# Allegro board LAY-38820_A.brd (continued)
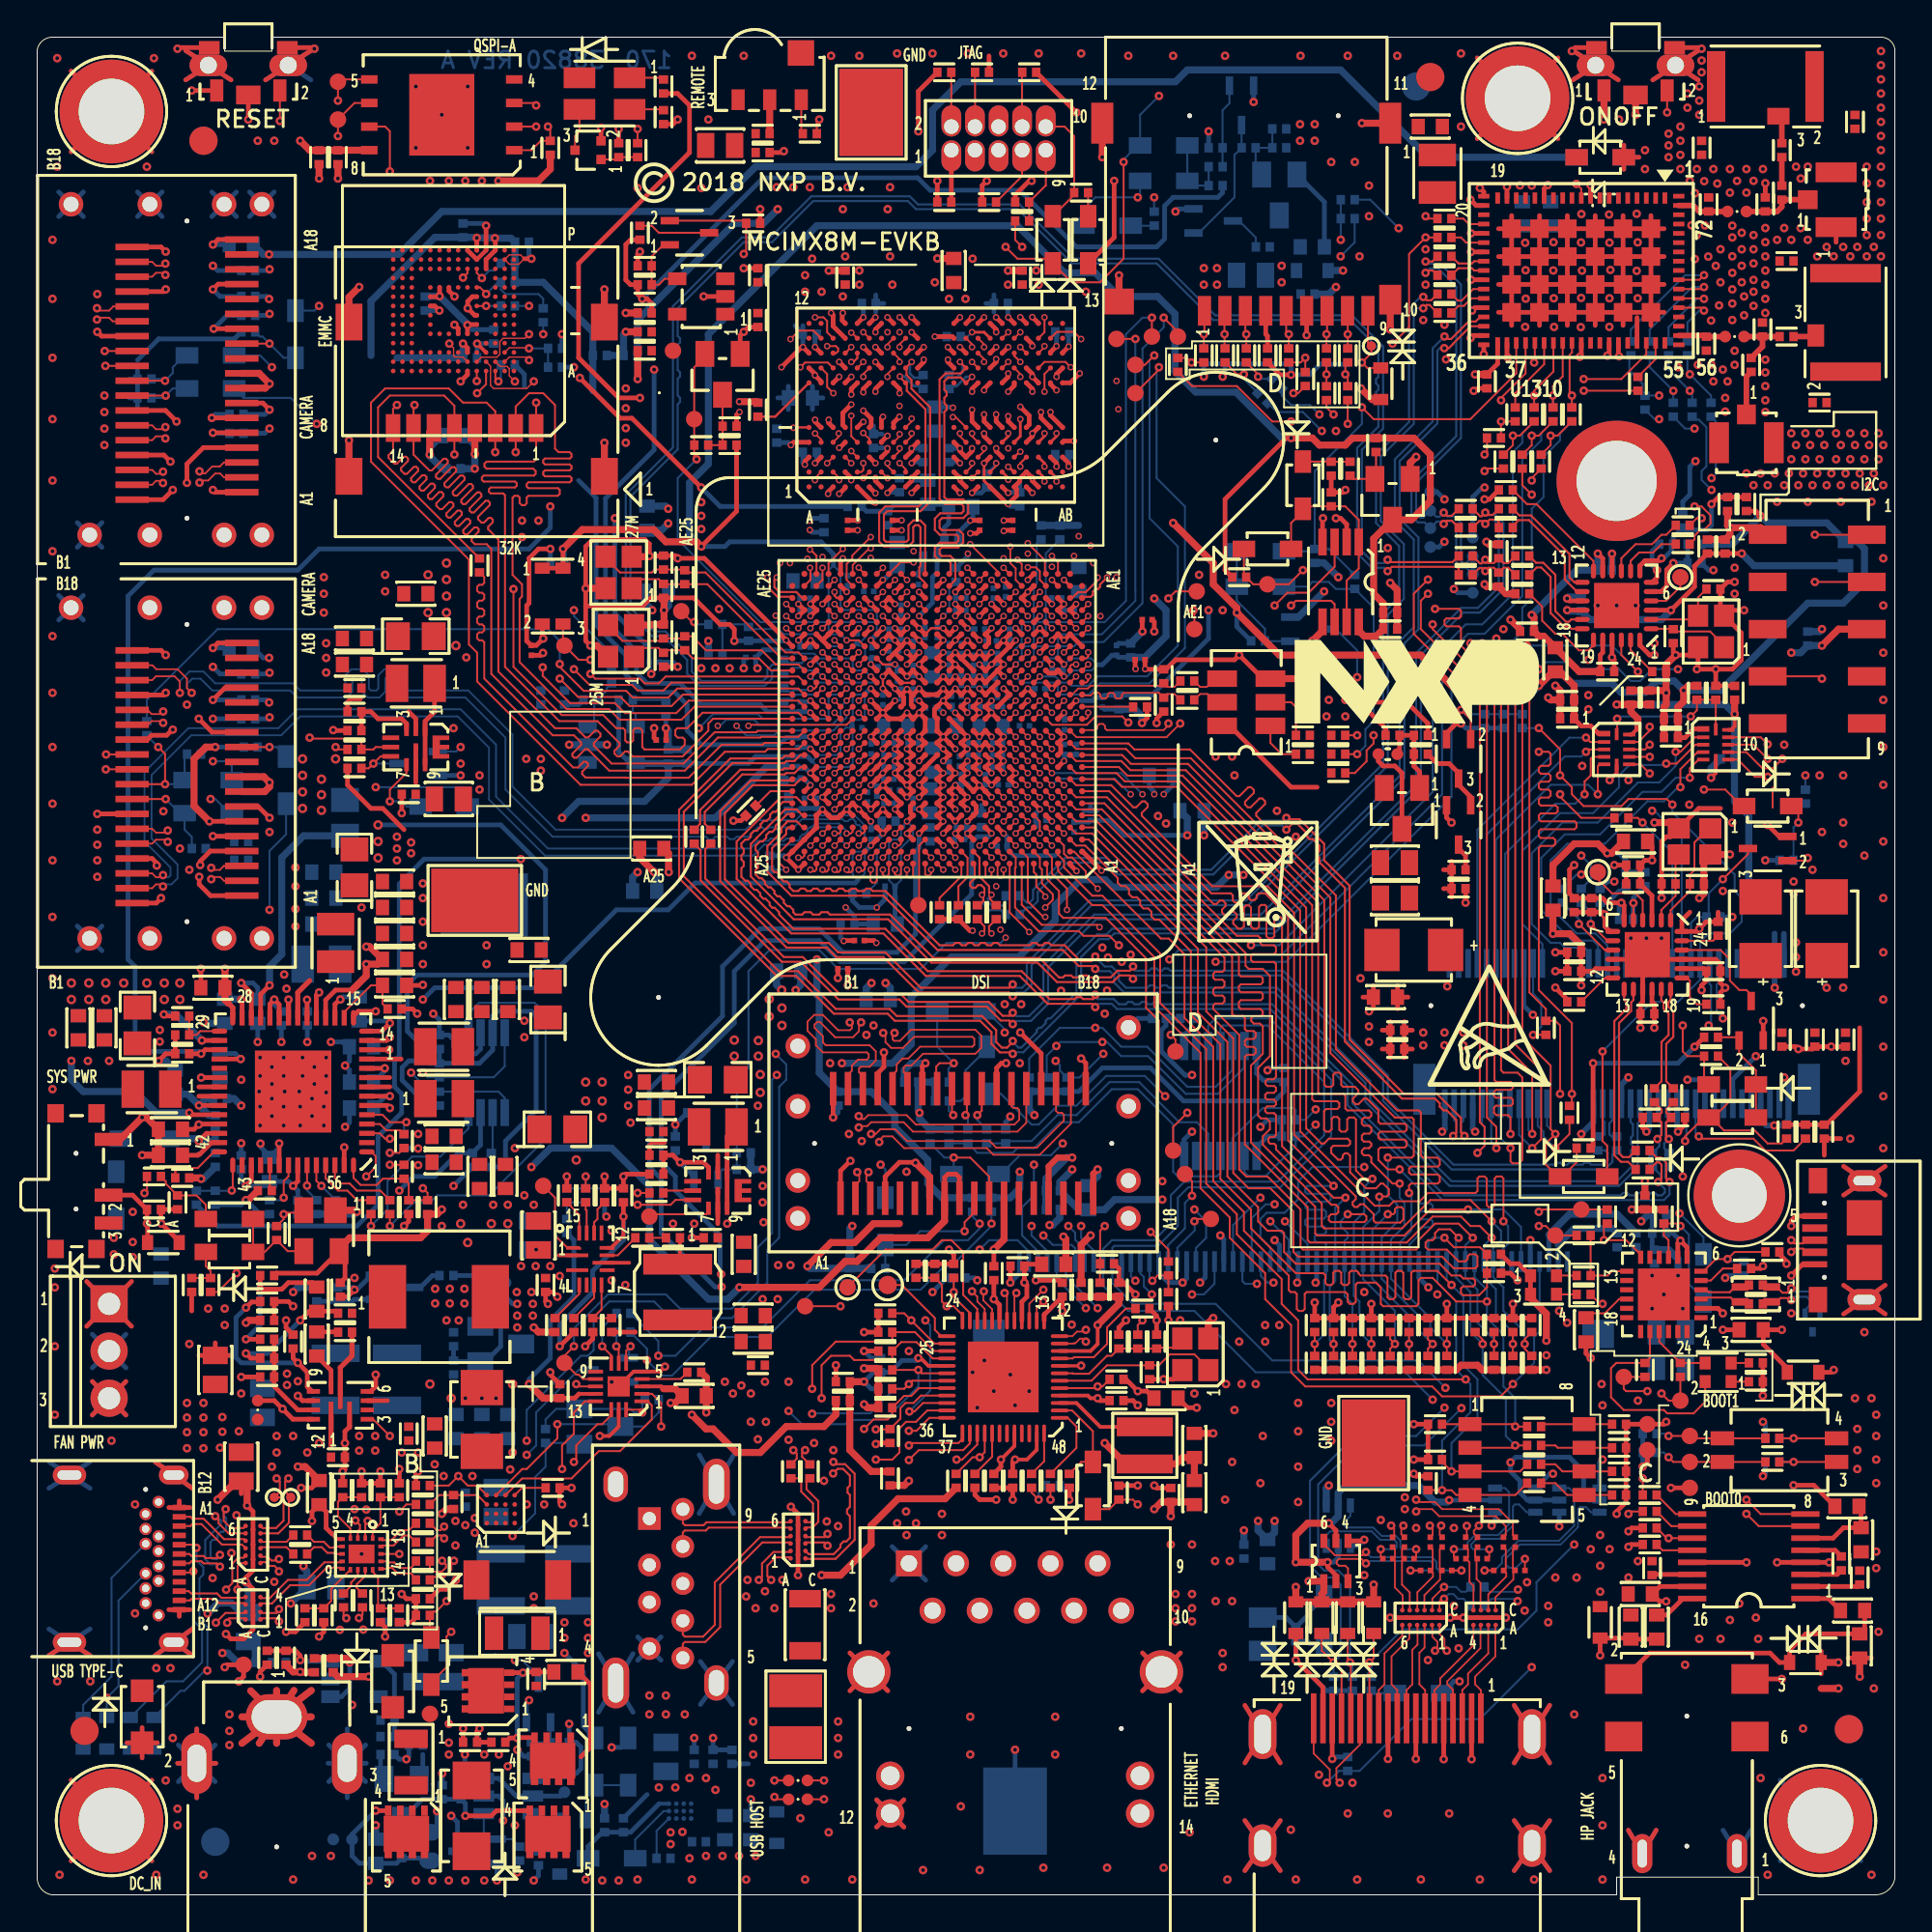
[diagram p0: board, top side]
## Routing (per net, layer and track width the routed paths; a pad name or vN(x,y) marks a point on that pad's centre or on a via; arc(x,y) is an arc through that point) (continued)
WL_REG_ON: length 74.6
  TOP w0.107: v1(74.74,90.36) 74.87,90.23 R1320.1 ; U101.D7 v2(52.67,57.78)
  L6_INT_2 w0.076: v1(74.74,90.36) 76.26,88.84 76.26,87.21 79.72,83.76 83.03,83.76 86.8,79.98 86.8,79.31 88.45,77.66 88.45,73.34 88.71,73.09 88.71,69.02 87.69,68.01 87.69,66.61 v1(88.33,65.98) ; v1(80.83,65.98) 76.9,62.04 73.72,62.04 71.94,60.26 68.01,60.26 65.34,57.59 61.66,57.59 61.28,57.21 59.75,57.21 58.99,57.97 55.69,57.97 55.55,58.11 53,58.11 v2(52.67,57.78)
  BOTTOM w0.107: v1(88.33,65.98) 86.93,65.98 86.3,65.34 85.79,65.34 85.15,65.98 82.99,65.98 82.61,66.36 81.22,66.36 v1(80.83,65.98)
XTALI_25M: length 9.3
  TOP w0.107: Y401.1 32.6,67.12 33.46,67.12 C402.1 33.86,67 R411.1 35.3,66.56 38.85,66.56 39.5,65.91 U101.U25
XTALI_27M: length 10.6
  TOP w0.107: Y402.1 32.49,70.82 33.46,70.82 C404.1 33.73,70.55 R412.1 36.07,70.55 40.07,66.56 U101.V25
XTALO_25M: length 11.8
  TOP w0.107: U101.U24 40.98,66.23 39.76,66.23 39,66.99 36,66.99 35.25,67.75 R411.2 34.75,67.63 C403.1 33.58,67.5 31.51,67.5 30.73,68.28 Y401.3
XTALO_27M: length 13.1
  TOP w0.107: U101.V24 40.98,66.88 40.28,66.88 35.98,71.18 34.98,71.18 R412.2 34.82,71.34 C405.1 33.24,71.34 33.08,71.18 31.38,71.18 30.6,71.96 Y402.3
N306938: length 9.4
  TOP w0.107: U101.W20 v2(43.58,66.88)
  BOTTOM w0.102: v2(43.58,66.88) 43.25,67.21 42.52,67.21 41.87,67.86 40.19,67.86 39.92,68.13 38.41,68.13 C401.1
  BOTTOM w0.107: C401.1 38.16,68.39 R401.2 R409.2
N97352674: length 3.9
  TOP w0.107: R822.2 81.08,25.34 SW801.8 R806.1
N97352678: length 3.9
  TOP w0.107: R804.1 SW801.7 81.85,24.07 81.72,24.19 R819.2
N97352680: length 4
  TOP w0.107: R821.2 81.72,23.18 82.1,22.8 SW801.6 R803.1
N97352682: length 4.1
  TOP w0.107: R820.2 81.72,22.16 82.36,21.53 SW801.5 R802.1
N98831920: length 2.8
  TOP w0.107: R1603.2 v1(67.37,84.01) 67.24,84.15 J1601.5
  BOTTOM w0.107: D1604.C v1(67.37,84.01)
N99468749: length 1.9
  TOP w0.107: U1602.1 41.13,94.89 R1615.2
N99468751: length 1.8
  TOP w0.381: R1610.2 39.43,94.81 U1602.2
N99469397: length 2.3
  TOP w0.107: Q1605.3 28.95,94.68 29.19,94.92 D1601.4
N99469401: length 2
  TOP w0.107: Q1605.1 31.18,93.42 R1616.1 R1614.2
N99469439: length 1.8
  TOP w0.107: D1601.3 33.67,96.11 R1609.2
N99513763: length 3.4
  TOP w0.107: R406.1 53.02,92.52 53.02,93.91 J401.7
N99515650: length 1.3
  TOP w0.107: D402.C 56.57,90.37 R404.1
N99789347: length 16
  TOP w0.254: v1(84.14,12.89) TVS1101.2 85.73,13.82 C1103.2 R1101.2 ; J1101.3 v1(93.92,11.62)
  L6_INT_2 w0.254: v1(84.14,12.89) 85.4,11.62 v1(93.92,11.62)
N99789365: length 15.9
  TOP w0.254: R1102.2 98.38,14.32 C1102.1 95.2,14.05 94.34,13.18 TVS1103.2 93.79,12.51 93.28,13.02 86.8,13.02 J1101.2
N99799646: length 5.7
  TOP w0.107: U1201.9 55.74,28.88 55.81,28.94 56.88,28.94 57.59,29.65 57.59,30.55 58.6,31.56 R1211.1
N99975371: length 1.6
  TOP w0.109: U901.12 17.66,17.17 17.19,16.7 17.19,16.54 C906.1
N99975385: length 1.6
  TOP w0.109: U901.11 17.26,17.18 16.9,16.82 16.9,16.63 C908.1
N99975403: length 1.9
  TOP w0.109: C907.2 13.42,19 12.08,19 U902.C4
N99975417: length 1.9
  TOP w0.109: C905.2 13.42,18.72 12.08,18.72 U902.C3
N99975431: length 7.7
  TOP w0.109: U902.C2 12.08,18.2 12.41,18.2 12.61,18 12.9,18 12.92,17.98 v1(13.02,18.08) ; C906.2 17.51,15.07 17.35,14.9 v1(17.32,14.9)
  L6_INT_2 w0.089: v1(13.02,18.08) 13.19,17.9 13.49,17.9 15.37,16.02 16.62,16.02 17.28,15.37 17.28,14.95 v1(17.32,14.9)
N99975460: length 7.6
  TOP w0.109: v1(13.02,17.41) 13.02,17.47 12.78,17.71 12.49,17.71 12.29,17.91 12.07,17.91 U902.C1 ; v1(16.64,14.9) 16.6,14.9 16.49,15.01 C908.2
  L6_INT_2 w0.089: v1(16.64,14.9) 16.7,14.9 17.02,15.22 17.02,15.28 16.52,15.78 15.27,15.78 13.39,17.65 13.26,17.65 v1(13.02,17.41)
N99975526: length 3.4
  TOP w0.107: U901.1 18.06,19.59 18.48,20 R905.2 R912.1
N99975530: length 3.6
  TOP w0.107: R906.2 R911.1 16.19,21.15 16.19,20.38 16.86,19.71 U901.4
N99975542: length 3.3
  TOP w0.107: R907.2 R910.1 18.35,15.42 18.35,17.1 18.06,17.39 U901.13
N99975546: length 3.7
  TOP w0.107: R909.1 R908.2 15.83,15.82 15.83,16.47 U901.10
N99976142: length 9.8
  TOP w0.109: U903.C1 12.08,14.89 12.85,14.89 v1(13.02,14.72) ; v1(17.79,20.13) 17.66,20 U901.2
  L8_INT_3 w0.089: v1(17.79,20.13) 17.64,19.98 17.64,19.42 14.92,16.7 14.92,15.97 13.75,14.79 13.09,14.79 v1(13.02,14.72)
N99976173: length 9.8
  TOP w0.109: U901.3 17.26,19.58 17.37,19.69 17.37,19.91 v1(17.13,20.15) ; U903.C2 12.08,15.17 12.89,15.17 13.02,15.3 v1(13.02,15.38)
  L8_INT_3 w0.089: v1(13.02,15.38) 13.02,15.35 13.33,15.04 13.65,15.04 14.67,16.07 14.67,16.8 17.39,19.52 17.39,19.9 v1(17.13,20.15)
N99976175: length 5.2
  TOP w0.109: U903.C3 12.08,15.69 12.64,15.69 13.62,16.67 14.63,16.67 15.58,17.61 16.35,17.61 U901.9
N99976189: length 5.2
  TOP w0.109: U901.8 16.36,17.9 15.46,17.9 14.52,16.95 13.5,16.95 12.52,15.97 12.08,15.97 U903.C4
N100755622: length 2.2
  TOP w0.109: C905.1 14.9,18.72 15.32,18.72 15.63,18.41 15.98,18.41 16.03,18.35 U901.7
N100755624: length 2.2
  TOP w0.109: U901.6 16.03,18.75 15.98,18.69 15.75,18.69 15.44,19 14.9,19 C907.1
N100828512: length 4.3
  BOTTOM w0.254: D1001.A 68.39,15.18 68.39,15.04 R1011.1 67.23,14.93 F1001.2
N101008434: length 1.7
  TOP w0.107: v1(31.18,29.53) 31.3,29.4 U907.7
  BOTTOM w0.107: v1(31.18,29.53) 31.18,29.53 R941.1
N101008436: length 3.2
  TOP w0.107: v1(30.42,29.53) 30.9,29.04 U907.8
  BOTTOM w0.107: R940.1 30.42,30.54 v1(30.42,29.53)
N101008611: length 11.8
  TOP w0.107: U906.B4 26.11,22.92 26.35,22.92 28,24.57 v1(28,25.34)
  BOTTOM w0.107: R931.1 33.46,25.96 32.7,25.21 Q906.3 31.26,25.34 v1(28,25.34)
N101008640: length 1.8
  TOP w0.107: C913.1 26.1,21.91 U906.D4
N101008651: length 2.6
  TOP w0.107: C914.2 34.63,27.77 U907.4
N101008668: length 15.5
  TOP w0.107: v1(19.49,20.64) 19.87,21.02 R924.2
  L6_INT_2 w0.076: v1(19.49,20.64) 20.13,21.27 22.92,21.27 25.01,23.35 26.02,23.35 v1(26.35,23.68)
  BOTTOM w0.107: Q905.3 29.15,28.26 26.86,25.97 26.86,24.19 v1(26.35,23.68)
N101008815: length 8.2
  TOP w0.254: Q901.4 24.72,4.53 24.45,4.25 v1(23.05,4.25)
  BOTTOM w0.254: v1(23.05,4.25) 23.05,4.92 R944.2 R916.1 20.73,5.15 Q902.3
N101008879: length 5.8
  L6_INT_2 w0.254: v1(25.84,7.81) 25.84,3.87 v1(25.72,3.75)
  BOTTOM w0.254: v1(25.84,7.81) 26.19,7.46 R935.1
  BOTTOM w0.381: C936.1 v1(18.22,3.75)
N101010200: length 3.3
  BOTTOM w0.107: U910.1 24.04,3.36 24.41,3 Q903.2 25.57,3 R914.2
N101061859: length 5.9
  BOTTOM w0.203: 33.48,4.91 U905.A1
  BOTTOM w0.254: D904.A 29.65,2.6 30.42,3.37 R917.2 R932.2 31.95,3.37 33.48,4.91
N101118681: length 2.7
  TOP w0.107: R1619.2 v1(70.55,84.01) 70.55,85.26 J1601.8
  BOTTOM w0.107: D1602.C v1(70.55,84.01)
N101118689: length 2.7
  TOP w0.107: J1601.7 69.44,84.04 v1(69.4,84.01) R1618.2
  BOTTOM w0.107: D1603.C v1(69.4,84.01)
N101118780: length 2.7
  TOP w0.107: J1601.3 65.04,84.06 v1(65.09,84.01) R1617.2
  BOTTOM w0.107: D1605.C v1(65.09,84.01)
N101118786: length 2.8
  TOP w0.107: J1601.2 63.91,85.24 63.91,84.02 v1(63.92,84.01) 63.92,83.27 R1621.2
  BOTTOM w0.107: D1606.C 63.92,83.34 v1(63.92,84.01)
N101118794: length 2.7
  TOP w0.107: R1620.2 v1(62.8,84.01) 62.84,84.05 J1601.1
  BOTTOM w0.107: D1607.C v1(62.8,84.01)
N101139325: length 7.4
  TOP w0.107: v1(88.45,36) 88.32,36.14 R1704.2 87.57,35.5 87.82,35.25 U1701.9
  BOTTOM w0.107: D1704.A 89.7,32.09 88.91,32.88 88.91,35.55 v1(88.45,36)
N101139407: length 2.6
  TOP w0.107: U1701.16 85.16,32.07 84.39,31.3 83.61,31.3 C1707.1
N101139610: length 2.2
  TOP w0.107: U1701.5 90.09,33.07 90.74,33.72 R1716.2
N101140451: length 1
  TOP w0.107: D1702.1 91.19,27.62 R1703.2
N101140453: length 1
  TOP w0.107: R1702.2 92.14,28.63 D1702.3
N101141295: length 1.1
  TOP w0.107: R1708.2 81.8,32.32 D1703.4
N101141297: length 1.1
  TOP w0.107: D1703.2 81.8,33.34 R1707.2
N101339716: length 7
  TOP w0.107: U901.16 v1(19.49,18.35) ; v1(22.03,15.81) 21.47,15.25 21.34,15.25 R901.2 21.14,13.94 D901.A
  L6_INT_2 w0.076: v1(22.03,15.81) v1(19.49,18.35)
N101344123: length 3.8
  TOP w0.254: v1(14.16,12.64) 14.16,12.88 13.91,13.14 R904.1 R903.2
  BOTTOM w0.254: U909.3 14.22,12.57 v1(14.16,12.64)
N101430997: length 45.3
  TOP w0.114: U908.C1 41.38,18.09 42.98,18.09 44,19.11 44,22.67 43.49,23.18 42.98,23.18 v1(42.86,23.3) ; R926.2 51.24,52.14 51.24,51.88 v2(51.37,51.75)
  L8_INT_3 w0.109: v2(51.37,51.75) 51.24,51.62 51.24,51.37 51.62,50.99 51.62,41.46 50.35,40.19 50.35,39.46 39.94,29.05 39.94,23.94 40.81,23.07 42.63,23.07 v1(42.86,23.3)
N101431025: length 45.2
  TOP w0.114: U908.C2 41.53,18.34 42.87,18.34 43.24,18.71 43.24,18.86 43.41,19.02 43.56,19.02 43.75,19.22 43.75,20.38 43.6,20.54 43.6,20.74 43.75,20.89 43.75,21.53 43.62,21.65 43.62,21.91 43.75,22.03 43.75,22.56 43.38,22.93 43.09,22.93 v1(42.85,22.68) ; v2(50.86,51.75) 50.99,51.88 50.99,52.14 R927.2
  L8_INT_3 w0.109: v2(50.86,51.75) 51,51.62 51,51.27 51.38,50.89 51.38,41.57 50.11,40.3 50.11,39.57 39.69,29.15 39.69,23.84 40.71,22.82 42.71,22.82 42.73,22.8 42.73,22.8 v1(42.85,22.68)
N101784396: length 23.3
  TOP w0.107: U101.W19 44.22,67.53 v2(43.57,67.53) ; U401.2 35.94,82.81 35.37,82.23 TP409.1 35.37,78.05 R416.2 35.37,78.03 35.37,77.41 v1(35.5,77.28)
  BOTTOM w0.102: 38.93,68.51 42.43,68.51 42.6,68.34 42.6,68.05 42.79,67.86 43.25,67.86 v2(43.57,67.53)
  BOTTOM w0.107: 38.93,68.51 34.48,72.96 34.48,76.26 v1(35.5,77.28)
N101800237: length 4.6
  BOTTOM w0.254: J1801.2 81.88,35.01
  BOTTOM w0.381: R1805.1 84.79,35.88 82.74,35.88 81.88,35.01
N101814214: length 5.4
  TOP w0.107: U1201.2 55.71,26.08 56.83,24.95 D1201.A 56.2,23.3 R1224.2
N101840031: length 3.5
  TOP w0.107: U401.3 36.89,79.06 C407.1 R415.2 R416.1
N101896717: length 16.3
  L6_INT_2 w0.076: v1(25.59,19.32) 25.59,12.76 v1(25.72,12.64)
  BOTTOM w0.107: v1(25.59,19.32) 26.81,20.54 26.81,22.49 27.37,23.05 R930.2 29.12,24.33 Q906.1 ; Q907.3 26.99,11.75 26.1,12.64 v1(25.72,12.64)
N101902831: length 2.1
  BOTTOM w0.107: R935.2 R946.1 27.64,8.23 Q907.2
N101995244: length 9.5
  TOP w0.254: v1(89.6,48.7) 89.6,48.96 89.86,49.22 C1422.1 89.72,49.86 U1401.20 ; v1(83.11,48.96) C1423.1 ; C1423.1 83.76,49.72 83.89,49.86 U1401.11 ; C1423.1 C1403.1 83.11,50.99
  TOP w0.381: L1401.2 v1(81.6,51.74) 82.5,51.74 83.11,51.12 83.11,50.99
N101995252: length 3.9
  TOP w0.107: U1401.2 87.43,53.01 88.19,53.78 C1430.1 88.19,55.83 Y1401.3
N101995256: length 5.9
  TOP w0.107: Y1401.1 89.97,57.41 89.21,56.65 89.21,55.17 88.97,54.93 C1429.1 88.97,54.04 87.93,53 U1401.1
N101995353: length 17.1
  TOP w0.254: U1401.16 86.93,48.07 87.05,47.95 C1425.1 v1(87.05,46.68) ; U1401.3 86.93,53.78 C1424.1 C1426.1 86.54,55.69 v1(86.93,55.69) 86.93,56.42 86.67,56.68 L1402.1
  L8_INT_3 w0.381: v1(87.05,46.68) 88.07,47.7 88.07,54.55 v1(86.93,55.69)
N101995404: length 10.7
  TOP w0.114: R1421.1 85.64,39.46 85.25,39.46 84.9,39.81 84.9,47.03 85.55,47.68 85.55,48.04 85.43,48.17 U1401.13
N101995406: length 4.3
  TOP w0.107: U1401.4 86.43,53.53 86.04,53.91 84.77,53.91 84.01,54.67 TP1401.1
N101995408: length 10.3
  TOP w0.114: U1401.14 85.93,48.17 85.8,48.04 85.8,47.58 85.15,46.93 85.15,39.92 85.36,39.71 85.69,39.71 R1422.1
N101995436: length 5.8
  TOP w0.114: U1401.17 87.43,48.17 87.55,48.04 87.55,47.7 87.82,47.43 87.82,46.29 87.44,45.91 87.44,43.8 R1423.1
N101995453: length 5.8
  TOP w0.114: R1424.1 87.69,43.8 87.69,45.8 88.07,46.19 88.07,47.54 87.8,47.81 87.8,48.04 87.93,48.17 U1401.18
N101995570: length 5.4
  TOP w0.254: C1402.1 C1401.1 84.26,52.9 v1(84.39,52.77) 84.39,52.13 84.67,51.86 U1401.7
  BOTTOM w0.254: v1(84.39,52.77) 84.14,53.02 R1457.2 84.52,53.41 85.15,54.04 85.27,54.04 R1456.2
N101995643: length 2.4
  TOP w0.107: R1412.2 89.34,47.94 88.96,48.32 88.96,49.21 88.82,49.36 U1401.19
N101995645: length 2.2
  TOP w0.107: U1401.12 84.4,49.36 R1411.2
N101995688: length 2.1
  TOP w0.107: R1405.2 90.21,51.36 U1401.23
N102026698: length 5.7
  TOP w0.107: R1419.2 91.44,46.16 Q1401.2 91.62,45.29 92.52,44.39 92.52,41.85
N102081058: length 2.9
  TOP w0.107: R841.1 70.85,76.22 U801.2 72.07,76.28 R847.2
N102081148: length 2.5
  TOP w0.107: R841.2 C803.1 69.65,77.15 D802.A
N102081821: length 11.5
  TOP w0.107: D801.C 67.5,73.85 68.13,74.48 D802.C 68.27,74.75 R842.1 70.41,74.75 71.14,74.02 U802.1 71.14,71.4 70.49,70.75 U802.7
N102095920: length 3.8
  TOP w0.107: R817.2 v1(94.55,24.57) SW802.4
  BOTTOM w0.107: R817.2 v1(94.55,24.57)
N102095936: length 3.8
  TOP w0.107: R818.2 v1(94.55,23.3) SW802.3
  BOTTOM w0.107: R818.2 v1(94.55,23.3)
N102134491: length 2.7
  TOP w0.107: R504.1 48.58,53.66 49.75,54.83 U101.A11
N102134913: length 3.2
  TOP w0.107: R506.1 49.59,54.29 50.08,54.78 50.08,55.83 U101.B11
N102135237: length 2.3
  TOP w0.107: R501.1 39.47,59.41 U101.G25
N102135239: length 3
  TOP w0.107: v2(40.32,55.18) 39.94,55.56 39.94,56.1 U101.C25
  BOTTOM w0.107: R502.1 40.32,55.19 v2(40.32,55.18)
N102135943: length 2.8
  TOP w0.107: R503.1 58.98,63.96 U101.P1
N102136255: length 3.4
  TOP w0.107: U101.C17 v2(45.53,56.48)
  BOTTOM w0.102: R505.1 45.2,54.48 45.2,56.16 v2(45.53,56.48)
N102189491: length 11.5
  TOP w0.254: v2(46.82,57.78) 46.83,57.78 U101.E15 47,58.25 47,58.61 U101.F15
  BOTTOM w0.102: C20.1 45.85,54.62 45.85,56.62 46.04,56.81 46.3,56.81 46.5,57 46.5,57.29 46.67,57.47 46.67,57.63 v2(46.82,57.78) 47.15,57.46 47.15,57 46.5,56.35 46.5,54.62 C20.1
  BOTTOM w0.254: L101.1 46.18,52.39 C19.1 C20.1
N102271152: length 2.6
  TOP w0.107: U101.AA13 v2(48.77,68.83)
  BOTTOM w0.102: v2(48.77,68.83) 49.1,69.16 49.1,70.31 R205.2
N102841136: length 2.2
  TOP w0.109: C917.2 20.39,17.88 20.1,17.59 19.53,17.59 19.22,17.89 18.95,17.89 18.89,17.95 U901.15
N102841139: length 2.2
  TOP w0.109: C918.2 20.39,17.03 20.12,17.3 19.41,17.3 19.1,17.61 18.95,17.61 18.89,17.55 U901.14
N102841178: length 2.3
  TOP w0.109: U901.17 18.57,18.81 19.19,18.81 19.72,19.34 20.03,19.34 C920.2
N102841181: length 2.3
  TOP w0.109: C919.2 20.02,19.63 19.6,19.63 19.07,19.09 18.57,19.09 U901.18
N102841248: length 3.5
  TOP w0.109: U908.C6 41.36,20.11 41.41,20.06 41.63,20.06 41.76,20.2 41.76,21.08 41.13,21.71 41.13,22.31 41.02,22.42 C922.2
N102841251: length 3.5
  TOP w0.109: C921.2 41.41,22.24 41.41,21.83 42.05,21.2 42.05,20.08 41.74,19.77 41.42,19.77 U908.C5
N102880674: length 3
  TOP w0.254: U1101.2 98,16.6 C1110.1
N102887128: length 2.2
  TOP w0.254: C1111.2 86.97,17.25 U1101.14
N102887637: length 2.3
  TOP w0.254: R1101.1 87.71,15.06 88.59,15.95 U1101.16
N102887640: length 2.2
  TOP w0.254: U1101.1 96.43,15.95 R1102.1
N102889416: length 2.1
  TOP w0.254: C1109.1 96.79,18.55 U1101.5
N102889418: length 2
  TOP w0.254: C1109.2 96.9,17.25 U1101.3
N102889692: length 2
  TOP w0.107: R1109.1 87.49,18.55 U1101.12
N102889696: length 2.2
  TOP w0.107: R1103.2 87.97,19.85 U1101.10
N102889754: length 2.3
  TOP w0.107: U1101.9 88.21,20.5 R1104.2
N102924137: length 1.8
  TOP w0.097: Y501.4 63.41,65.47 62.96,65.02 62.6,65.02 R510.1
N102924140: length 1.8
  TOP w0.097: R511.1 62.6,64.64 63.01,64.64 63.45,64.2 Y501.5
N102924518: length 2.5
  TOP w0.107: R508.2 66.99,61.4 66.39,62.01 Y501.1
N103556037: length 6
  TOP w0.107: v1(49.34,39.69) 50.23,39.69 51.25,38.67 J1501.A11
  BOTTOM w0.107: D1501.A 49.34,38.92 v1(49.34,39.69) 48.84,39.69 R1521.2
N103556044: length 6.5
  TOP w0.107: v1(49.34,44.77) 48.58,44.77 48.4,44.59 48.4,43.45 J1501.B8
  BOTTOM w0.107: R1520.2 49.05,43.78 49.05,44.48 v1(49.34,44.77) 48.45,45.66 D1508.A
N103556052: length 6.5
  TOP w0.107: J1501.B9 49.25,42.04 v1(49.31,41.97)
  BOTTOM w0.107: v1(49.31,41.97) 49.08,42.21 R1519.2 49.72,42.73 49.97,42.99 49.97,44.39 51.12,45.53 D1509.A
N103556123: length 2.3
  TOP w0.107: v1(49.97,41.97) 50.05,42.05 J1501.B10
  BOTTOM w0.107: R1502.1 50.1,41.85 v1(49.97,41.97)
N103556124: length 2.5
  TOP w0.107: v1(50.61,41.97) 50.85,42.21 J1501.B11
  BOTTOM w0.107: v1(50.61,41.97) 50.61,41.71 R1501.1
N103592100: length 5.1
  BOTTOM w0.254: J802.2 4.78,30.18 ; J802.2 2.97,28.37 ; J802.2 2.97,30.18 ; J802.2 4.78,28.37
N103620554: length 1.9
  TOP w0.107: R747.1 29.18,36.61 U706.15
N103620610: length 20.9
  TOP w0.254: SW701.2 5.14,37.67 C798.1 v1(5.91,36.14) 5.94,36.1 D706.C ; U701.12 13.77,25.6 v1(13.21,26.16) 12.76,26.61 R708.2
  L6_INT_2 w0.254: v1(5.91,36.14) 6.54,35.51 6.54,34.23 8.19,32.57 8.19,31.3 10.98,28.51 11.49,28.51 13.21,26.8 v1(13.21,26.16)
N103620792: length 3.6
  TOP w0.279: U701.7 16.32,28.38 16.95,29.01 C705.2
N103620806: length 2
  TOP w0.254: R704.1 15.82,28.23 U701.8
N103620818: length 1.2
  TOP w0.254: C705.1 16.18,30.3 R704.2
N103621061: length 5.2
  TOP w0.254: R702.2 R705.2 R709.1 12.76,27.37 14.03,26.1 U701.11
N103621063: length 6.8
  TOP w0.254: v1(11.24,29.15) 11.49,28.89 R705.1 ; R703.2 16.09,31.42 C712.1 14.65,31.42 v1(14.16,30.92)
  BOTTOM w0.254: v1(11.24,29.15) 12.38,29.15 v1(14.16,30.92)
N103621294: length 9.3
  TOP w0.254: v1(18.22,28) 18.22,27.37 17.96,27.1 U701.6 ; v1(13.78,31.69) 13.52,31.94 R706.2 R707.1
  L6_INT_2 w0.254: v1(13.78,31.69) 14.54,31.69 v1(18.22,28)
N103621414: length 2.7
  TOP w0.203: U706.9 31.87,34.03 ; C787.2 34.6,34.07
N103621426: length 2.5
  TOP w0.254: U702.8 18.98,43.49 ; U702.9 18.97,43.99
N103621824: length 2.3
  TOP w0.107: U706.4 29.18,32.35 R731.2
N103621960: length 3.2
  BOTTOM w0.254: Q702.2 17.07,32.05 16.96,31.95 C727.1 R715.2
N103622061: length 3
  TOP w0.107: R749.1 C788.1 30.38,31.52 U706.7
N103622250: length 8.9
  TOP w0.254: U702.6 18.85,42.49 v1(18.99,42.35)
  L8_INT_3 w0.381: v1(25.72,40.19) 23.56,42.35 v1(18.99,42.35)
N103622993: length 3.6
  TOP w0.107: U702.53 15.53,38.57 16.19,37.91 16.7,37.91 17.21,37.39 R719.1
N103622995: length 4.1
  TOP w0.107: U702.54 16.03,38.58 16.32,38.29 16.83,38.29 17.21,37.91 18.47,37.91 R721.1
N103623013: length 2.2
  TOP w0.107: R724.1 19.54,41.16 18.79,41.16 18.45,41.49 U702.4
N103623028: length 3
  TOP w0.107: U702.5 18.58,41.99 18.99,41.59 v1(19.87,41.59)
  BOTTOM w0.107: v1(19.87,41.59) 19.75,41.46 R722.1
N103623139: length 3.3
  TOP w0.107: R744.2 v1(29.53,38.67)
  BOTTOM w0.107: R746.1 R744.2 ; R744.2 R745.1 ; R744.2 v1(29.53,38.67)
N103623211: length 1.9
  TOP w0.107: U706.13 29.98,36.2 30.16,36.38 30.16,36.9 C793.1
N103623424: length 4.2
  TOP w0.107: U706.1 28.55,34.83 27.88,35.5 27.88,37.53 TP704.1
N103623433: length 1.9
  TOP w0.107: U706.10 31.26,34.43 R743.1
N103623437: length 0.9
  TOP w0.107: C787.1 R743.2
N103623474: length 1.7
  TOP w0.107: R744.1 29.53,36.89 29.58,36.83 U706.14
N103623492: length 1.9
  BOTTOM w0.107: R748.2 R745.2 C789.2
N103623566: length 4.3
  TOP w0.107: R725.1 18.59,47.96 C747.1 17.97,48.96 16.53,47.52 U702.16
N103623739: length 3.2
  TOP w0.107: C763.2 7.44,38.93 7.63,39.13 8.65,39.13 9.51,39.99 U702.42
N103623826: length 4.5
  TOP w0.254: U702.40 9.12,40.99 v1(8.7,40.58)
  BOTTOM w0.381: D704.C 8.57,40.7 v1(8.7,40.58) 9.59,40.58 R756.2
N103623850: length 2.7
  TOP w0.107: C767.2 C770.1 8.57,46.29 8.77,46.49 U702.29
N103623981: length 3.3
  TOP w0.107: v1(10.48,37.92) 10.53,37.97 U702.43
  BOTTOM w0.107: R757.1 C764.1 10.46,37.9 v1(10.48,37.92)
N103625600: length 2.1
  BOTTOM w0.107: R1608.2 65.6,89.21 64.71,90.11 Q1603.3
N103625608: length 4.2
  BOTTOM w0.107: D1609.A D1608.A 62.17,92.01 R1612.2 R1613.1
N103625614: length 3.5
  BOTTOM w0.107: R1607.2 C1607.2 R1611.1 65.59,92.93 Q1602.1
N103625632: length 7.1
  BOTTOM w0.107: Q1604.3 64.83,94.05 R1611.2 64.45,93.66 64.45,91.38 62.53,89.46 Q1603.2
N103625713: length 4.5
  BOTTOM w0.107: Q1604.2 64.18,96.44 63.81,96.07 C1611.1 R1613.2
N103625807: length 3.9
  TOP w0.107: R1602.2 33.09,89.85 33.46,89.47 Q1601.3
N103625812: length 4.3
  TOP w0.107: Q1601.1 33.7,88.82 33.08,88.19 R1604.1 R1601.2 33.46,86.68 33.78,86.99 U1601.4
N103635764: length 2.4
  TOP w0.254: U705.2 20.38,63.31 20,63.69 ; R752.1 16.71,64.2 16.89,64.38 17.4,64.38
N103635890: length 4.6
  TOP w0.254: U705.9 U705.1 20.88,63.17 21.39,63.68 L710.1
N103636004: length 4.1
  TOP w0.107: U705.7 19.88,60.4 18.99,59.5 v1(18.99,58.86)
  BOTTOM w0.107: v1(18.99,58.86) 19.62,58.86 19.9,58.58 D703.C
N103636036: length 4
  TOP w0.254: R753.1 R752.2 17.97,63.69 18.35,63.31 19.62,63.31 19.88,63.05 U705.3
N103636723: length 3.9
  TOP w0.254: U707.2 36.64,39.81 ; 33.78,40.51 33.14,40.51 32.96,40.33 R710.1
  BOTTOM w0.254: C714.1 v1(34.35,41.46) 34.99,42.1 R764.1
N103636825: length 4.6
  TOP w0.254: U707.9 U707.1 37.14,40.83 L706.1
N103636841: length 1.6
  TOP w0.107: U707.5 33.84,37.91 R714.2
N103636936: length 3.5
  TOP w0.107: TP701.1 33.08,36.64 36,36.64 36.14,36.77 U707.7
N103636955: length 6
  TOP w0.254: U707.3 36.14,39.17 35.88,39.43 v1(34.61,39.43) 34.23,39.81 R710.2 R711.1
  BOTTOM w0.254: C714.2 34.35,39.69 v1(34.61,39.43) 35.35,38.69 Q704.1
N103650219: length 12.7
  TOP w0.254: v1(12.51,48.96) 12.03,48.48 U702.25
  BOTTOM w0.381: 16.32,57.01 14.34,57.01 13.17,55.84 13.17,50.63 12.51,49.97 v1(12.51,48.96)
N103650238: length 6.9
  TOP w0.254: U702.19 15.03,48.43 v1(15.18,48.58)
  L6_INT_2 w0.381: v1(15.18,48.58) 16.19,49.59 16.19,51.88 v1(17.46,53.15)
N103650295: length 1
  TOP w0.279: U702.22 v1(13.53,48.19)
  vias: v1(13.3,49.54) v1(13.42,48.78)
N103650305: length 9.8
  TOP w0.254: U702.38 8.3,41.99 v1(8.19,42.1)
  BOTTOM w0.381: v1(8.19,42.1) 6.41,42.1 5.27,43.24 2.48,43.24 1.84,43.88 v1(1.84,44.89)
  vias: v1(2.73,44.89) v1(3.87,44.89)
N103650457: length 8.5
  TOP w0.254: U702.13 18.82,45.99 v1(18.99,46.16)
  L8_INT_3 w0.381: v1(26.22,46.16) v1(18.99,46.16)
N103650494: length 2.3
  TOP w0.279: 14.67,49.21 14.03,48.57 U702.21
N103650496: length 1.8
  TOP w0.254: 19.59,44.99 U702.11
N103650498: length 2.2
  TOP w0.254: U702.35 8.7,43.49 ; U702.36 8.7,42.99
N103653484: length 37.8
  TOP w0.107: U704.2 14.23,36.72 13.36,36.72 v1(13.27,36.64) 13.27,36.38 R716.2 ; U705.5 18.22,61.78 18.1,61.66 R754.2 17.46,62.05 17.26,62.24 14.72,62.24 v1(14.67,62.29)
  L6_INT_2 w0.076: v1(14.67,62.29) 14.79,62.17 14.79,56.58 15.3,56.07 15.3,49.97 14.03,48.7 14.03,48.07 12.89,46.93 10.6,46.93 9.84,46.16 9.84,40.32 13.27,36.89 v1(13.27,36.64)
N103653503: length 2.5
  TOP w0.107: R717.1 C726.2 9.33,33.59 9.08,33.84 D702.C
N103653528: length 3.9
  TOP w0.107: R713.2 6.92,38.41 6.92,38.28 C721.1 8.58,37.65 9.08,37.15 D701.C
N103709276: length 9.4
  BOTTOM w0.254: R761.1 23.81,33.34 C781.2 24.19,32.45 24.95,31.69 24.95,29.53 24.13,28.7 Q701.1 22.47,28.7 C799.2 R712.2
N103766552: length 21.2
  TOP w0.107: v1(80.45,75.37) 79.95,75.88 R1445.1 ; U1402.7 86.31,60.86 v1(86.8,60.36)
  L8_INT_3 w0.076: v1(86.8,60.36) 87.26,60.82 87.26,65.9 86.55,66.61 86.55,68.01 85.53,69.02 85.53,69.66 84.26,70.93 83.88,70.93 80.45,74.36 v1(80.45,75.37)
N103766554: length 20.7
  TOP w0.107: v1(77.91,76.64) 78.05,76.78 R1443.1 ; v1(86.8,61.91) 86.55,61.66 U1402.9
  L8_INT_3 w0.076: v1(77.91,76.64) 79.44,75.12 79.44,74.04 83.5,69.97 83.5,69.28 85.69,67.09 85.69,65.44 86.3,64.83 86.3,62.42 v1(86.8,61.91)
N103766556: length 23.5
  TOP w0.107: U1402.8 v1(86.8,61.26) ; R1444.1 78.05,77.67 v1(77.91,77.53)
  L8_INT_3 w0.076: v1(86.8,61.26) 85.97,62.09 85.97,64.53 85.28,65.21 85.28,66.86 83.12,69.02 83.12,69.79 79.56,73.34 77.79,73.34 77.41,73.72 77.41,77.02 v1(77.91,77.53)
N103766558: length 18.7
  TOP w0.107: U1402.10 86.19,62.06 86.8,62.67 v1(86.8,62.88) ; v1(80.45,76.14) 80.45,76.26 80.96,76.77 R1442.1
  L8_INT_3 w0.076: v1(86.8,62.88) 86.8,65.85 86.12,66.53 86.12,67.42 84.52,69.02 84.52,69.66 79.95,74.23 79.95,75.63 v1(80.45,76.14)
N103794018: length 4.2
  TOP w0.107: J1502.A11 v1(12.51,83.51)
  BOTTOM w0.107: D1503.A 13.27,82.74 v1(12.51,83.51) 12.13,83.88 11.99,83.88 R1505.2
N103794466: length 4.5
  TOP w0.107: J1502.B9 v1(6.89,81.51)
  BOTTOM w0.107: D1506.A 7.94,82.87 7.3,82.23 7.3,81.92 v1(6.89,81.51) 6.79,81.6 R1507.2
N103794467: length 3.9
  TOP w0.107: J1502.B8 v1(6.92,80.7)
  BOTTOM w0.107: D1502.A 7.3,81.09 v1(6.92,80.7) 6.79,80.58 R1506.2
N103805249: length 7.5
  TOP w0.107: J1503.B9 v1(6.89,59.79) 6.89,61.42 v1(6.52,61.79)
  BOTTOM w0.107: R1530.1 5.9,62.4 v1(6.52,61.79) ; R1510.2 7.94,61.27 D1507.A 7.94,59.88 7.85,59.79 v1(6.89,59.79)
N103805251: length 5.2
  TOP w0.107: J1503.B8 v1(6.92,58.99)
  BOTTOM w0.107: v1(6.92,58.99) 7.68,58.23 D1505.A 7.94,57.34 8.32,56.95 R1509.2
N103805253: length 3.2
  TOP w0.107: J1503.A11 v1(12.51,61.79)
  BOTTOM w0.107: D1504.A 12.89,61.79 v1(12.51,61.79) 12.5,61.78 R1508.2
N103823981: length 24.2
  TOP w0.107: U1403.9 92.39,61.91 v1(93.15,61.15)
  L8_INT_3 w0.076: v1(93.15,61.15) 92.39,61.91 92.39,67.37 89.34,70.42 89.34,72.07 88.71,72.71 88.71,74.87 88.84,74.99 88.84,77.91 v1(87.31,79.44)
  BOTTOM w0.107: v1(87.31,79.44) 87.06,79.44 R1447.1
N103823983: length 24.2
  TOP w0.107: v1(93.94,61.15) 93.43,60.64 92.87,60.64 92,61.51 U1403.8
  L8_INT_3 w0.076: v1(90.13,75.63) 90.61,75.15 90.61,74.74 92.89,72.47 92.89,63.19 93.61,62.47 93.61,61.48 v1(93.94,61.15)
  BOTTOM w0.107: v1(90.13,75.63) 89.6,76.16 89.6,76.64 89.85,76.9 89.85,79.01 89.45,79.41 89.25,79.41 R1448.1
N103823994: length 22.3
  TOP w0.107: v1(93.15,61.94) 92.78,62.31 U1403.10
  L6_INT_2 w0.076: v1(93.15,61.94) 93.15,72.71 91.12,74.74 91.12,76.39 90.56,76.95 90.56,77.58 v1(89.22,78.93)